# KiCad board MT41.kicad_pcb
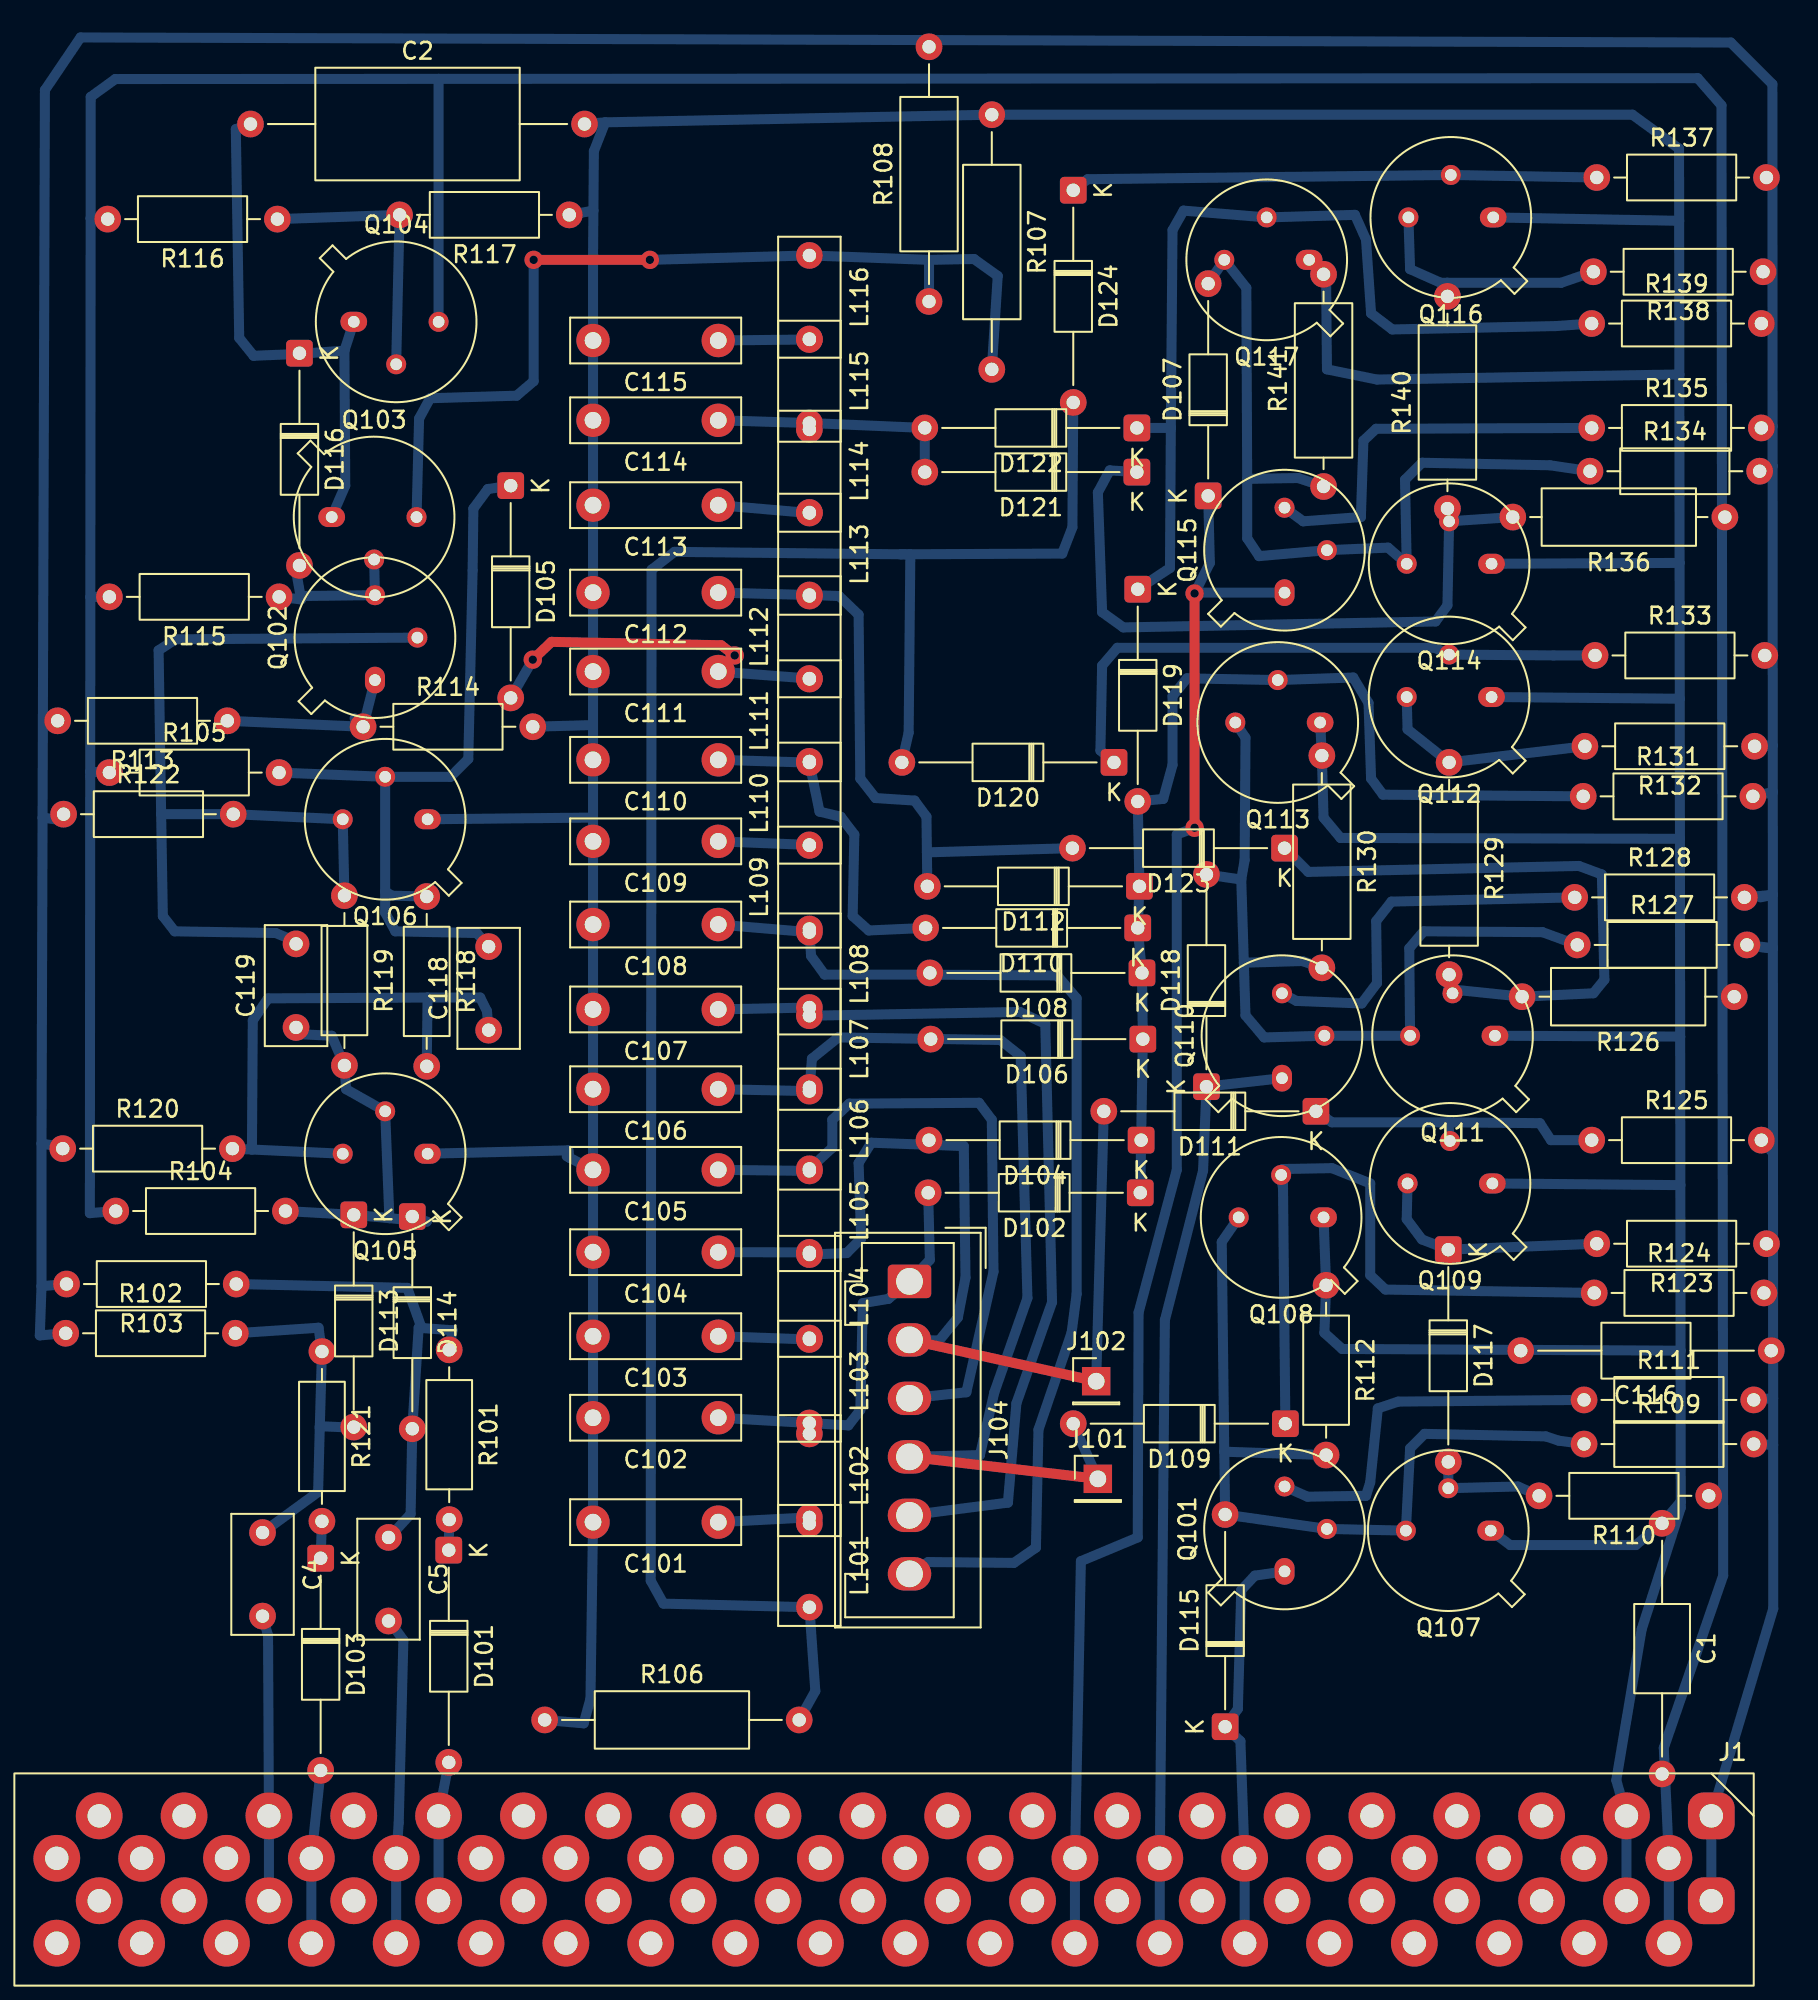
[diagram p0: board, top side]
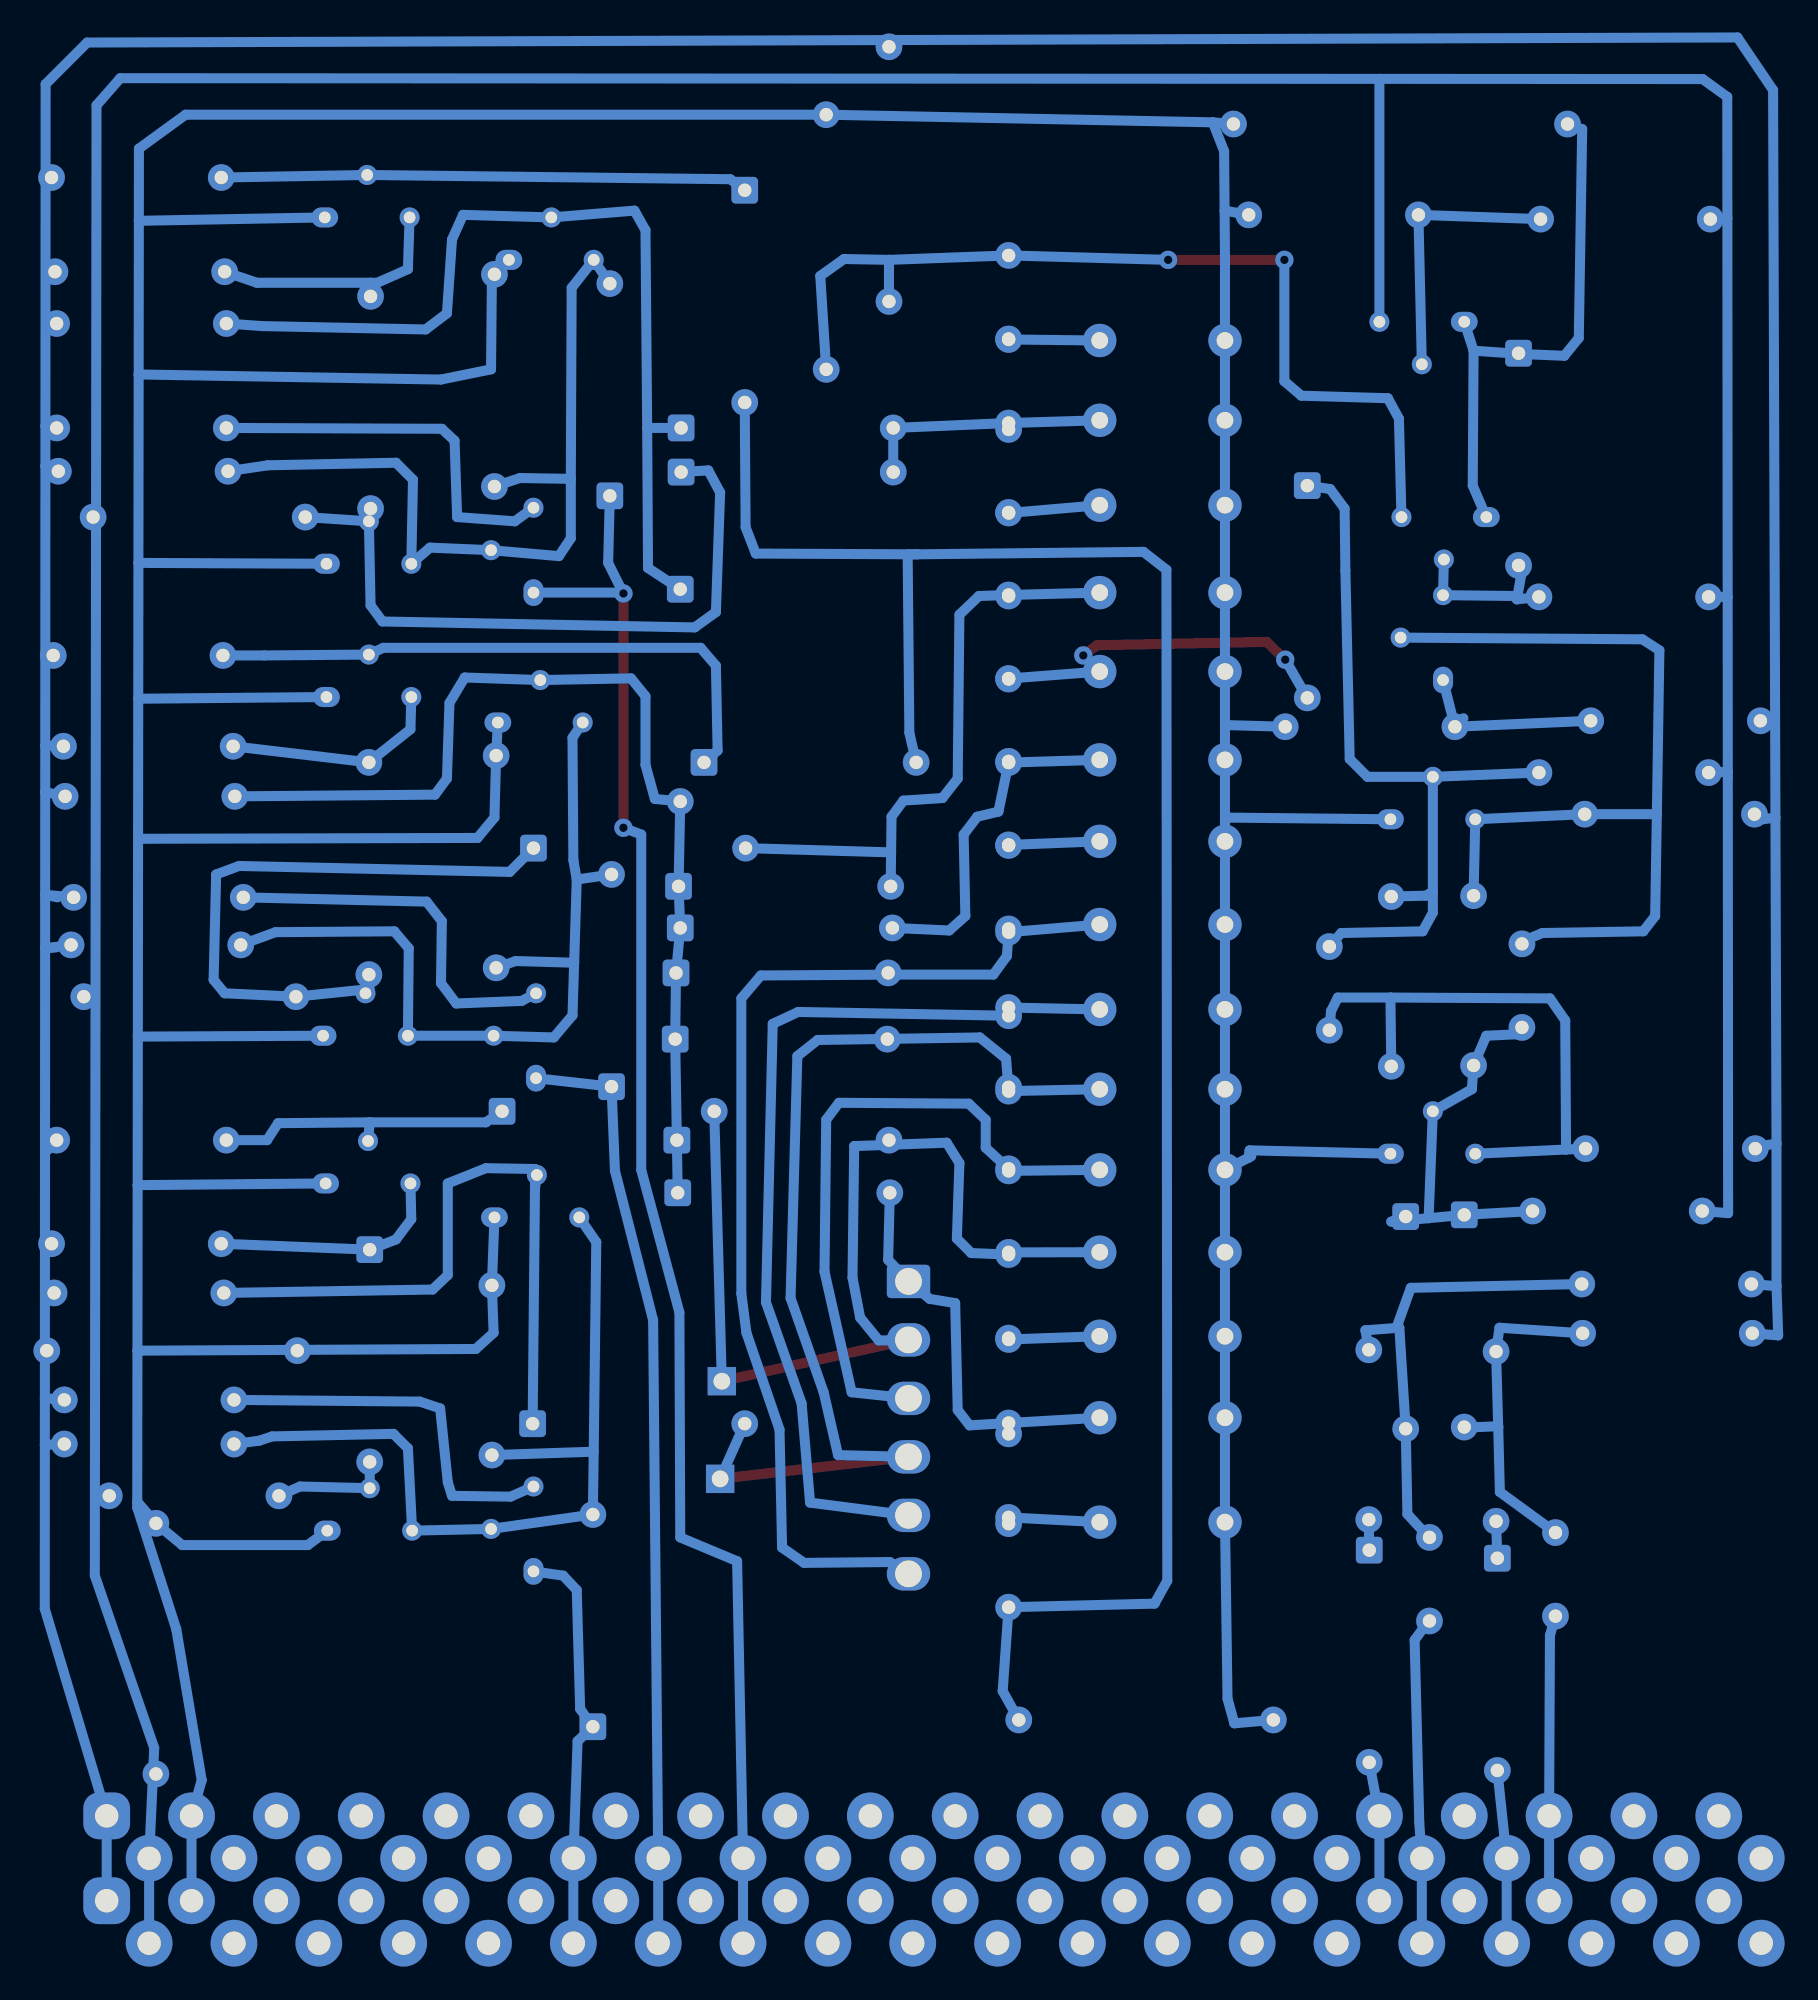
[diagram p1: board, bottom side, seen from below]

No outline. copper layers: Top, Bottom. Coordinates in mm from the lowest, leftmost part position.

## Placement (name value [footprint] x y rotation side)
C1  0.01u  [C_Axial_L5.1mm_D3.1mm_P15.00mm_Horizontal]  95.76 17.51 270 top
C2  C  [C_Axial_L12.0mm_D6.5mm_P20.00mm_Horizontal]  11.24 101.24 0 top
C4  ?  [C_Rect_L7.0mm_W3.5mm_P5.00mm]  11.96 16.95 270 top
C5  ?  [C_Rect_L7.0mm_W3.5mm_P5.00mm]  19.51 16.66 270 top
C101  ?  [C_Rect_L10.0mm_W2.5mm_P7.50mm_MKS4]  39.25 17.58 180 top
C102  ?  [C_Rect_L10.0mm_W2.5mm_P7.50mm_MKS4]  39.25 23.83 180 top
C103  ?  [C_Rect_L10.0mm_W2.5mm_P7.50mm_MKS4]  39.25 28.7 180 top
C104  ?  [C_Rect_L10.0mm_W2.5mm_P7.50mm_MKS4]  39.25 33.73 180 top
C105  ?  [C_Rect_L10.0mm_W2.5mm_P7.50mm_MKS4]  39.25 38.66 180 top
C106  ?  [C_Rect_L10.0mm_W2.5mm_P7.50mm_MKS4]  39.25 43.48 180 top
C107  ?  [C_Rect_L10.0mm_W2.5mm_P7.50mm_MKS4]  39.25 48.26 180 top
C108  ?  [C_Rect_L10.0mm_W2.5mm_P7.50mm_MKS4]  39.25 53.34 180 top
C109  ?  [C_Rect_L10.0mm_W2.5mm_P7.50mm_MKS4]  39.25 58.32 180 top
C110  ?  [C_Rect_L10.0mm_W2.5mm_P7.50mm_MKS4]  39.25 63.2 180 top
C111  ?  [C_Rect_L10.0mm_W2.5mm_P7.50mm_MKS4]  39.25 68.48 180 top
C112  ?  [C_Rect_L10.0mm_W2.5mm_P7.50mm_MKS4]  39.25 73.2 180 top
C113  ?  [C_Rect_L10.0mm_W2.5mm_P7.50mm_MKS4]  39.25 78.44 180 top
C114  ?  [C_Rect_L10.0mm_W2.5mm_P7.50mm_MKS4]  39.25 83.52 180 top
C115  ?  [C_Rect_L10.0mm_W2.5mm_P7.50mm_MKS4]  39.25 88.29 180 top
C116  2u  [C_Axial_L5.1mm_D3.1mm_P15.00mm_Horizontal]  102.29 27.84 180 top
C118  ?  [C_Rect_L7.0mm_W3.5mm_P5.00mm]  25.5 47.02 90 top
C119  ?  [C_Rect_L7.0mm_W3.5mm_P5.00mm]  13.97 47.18 90 top
D101  ?  [D_DO-35_SOD27_P12.70mm_Horizontal]  23.11 15.9 270 top
D102  ?  [D_DO-35_SOD27_P12.70mm_Horizontal]  64.52 37.29 180 top
D103  ?  [D_DO-35_SOD27_P12.70mm_Horizontal]  15.44 15.42 270 top
D104  ?  [D_DO-35_SOD27_P12.70mm_Horizontal]  64.57 40.44 180 top
D105  ?  [D_DO-35_SOD27_P12.70mm_Horizontal]  26.82 79.6 270 top
D106  ?  [D_DO-35_SOD27_P12.70mm_Horizontal]  64.67 46.48 180 top
D107  ?  [D_DO-35_SOD27_P12.70mm_Horizontal]  68.58 78.99 90 top
D108  ?  [D_DO-35_SOD27_P12.70mm_Horizontal]  64.62 50.44 180 top
D109  ?  [D_DO-35_SOD27_P12.70mm_Horizontal]  73.2 23.47 180 top
D110  ?  [D_DO-35_SOD27_P12.70mm_Horizontal]  64.36 53.14 180 top
D111  ?  [D_DO-35_SOD27_P12.70mm_Horizontal]  75.03 42.16 180 top
D112  ?  [D_DO-35_SOD27_P12.70mm_Horizontal]  64.47 55.63 180 top
D113  ?  [D_DO-35_SOD27_P12.70mm_Horizontal]  17.42 35.97 270 top
D114  ?  [D_DO-35_SOD27_P12.70mm_Horizontal]  20.93 35.86 270 top
D115  ?  [D_DO-35_SOD27_P12.70mm_Horizontal]  69.6 5.33 90 top
D116  ?  [D_DO-35_SOD27_P12.70mm_Horizontal]  14.17 87.53 270 top
D117  S1005  [D_DO-35_SOD27_P12.70mm_Horizontal]  82.96 33.88 270 top
D118  ?  [D_DO-35_SOD27_P12.70mm_Horizontal]  68.48 43.64 90 top
D119  ?  [D_DO-35_SOD27_P12.70mm_Horizontal]  64.36 73.41 270 top
D120  ?  [D_DO-35_SOD27_P12.70mm_Horizontal]  62.94 63.04 180 top
D121  ?  [D_DO-35_SOD27_P12.70mm_Horizontal]  64.31 80.42 180 top
D122  ?  [D_DO-35_SOD27_P12.70mm_Horizontal]  64.31 83.06 180 top
D123  ?  [D_DO-35_SOD27_P12.70mm_Horizontal]  73.15 57.91 180 top
D124  ?  [D_DO-35_SOD27_P12.70mm_Horizontal]  60.5 97.28 270 top
J1  Conn_01x40  [ELCO 40]  98.7 0 0 top
J101  Conn_01x01  [PinHeader_1x01_P2.54mm_Vertical]  61.98 20.17 0 top
J102  Conn_01x01  [PinHeader_1x01_P2.54mm_Vertical]  61.87 26.01 0 top
J104  Conn_01x06  [Wago_734-136_1x06_P3.50mm_Vertical]  50.7 31.98 270 top
L101  ?  [C_Rect_L7.0mm_W3.5mm_P5.00mm]  44.7 17.49 270 top
L102  ?  [C_Rect_L7.0mm_W3.5mm_P5.00mm]  44.7 22.86 270 top
L103  ?  [C_Rect_L7.0mm_W3.5mm_P5.00mm]  44.7 28.51 270 top
L104  ?  [C_Rect_L7.0mm_W3.5mm_P5.00mm]  44.7 33.59 270 top
L105  ?  [C_Rect_L7.0mm_W3.5mm_P5.00mm]  44.7 38.72 270 top
L106  ?  [C_Rect_L7.0mm_W3.5mm_P5.00mm]  44.7 43.6 270 top
L107  ?  [C_Rect_L7.0mm_W3.5mm_P5.00mm]  44.7 48.37 270 top
L108  ?  [C_Rect_L7.0mm_W3.5mm_P5.00mm]  44.7 52.88 270 top
L109  ?  [C_Rect_L7.0mm_W3.5mm_P5.00mm]  44.7 53.08 90 top
L110  ?  [C_Rect_L7.0mm_W3.5mm_P5.00mm]  44.7 58.1 90 top
L111  ?  [C_Rect_L7.0mm_W3.5mm_P5.00mm]  44.7 63.03 90 top
L112  ?  [C_Rect_L7.0mm_W3.5mm_P5.00mm]  44.7 68.06 90 top
L113  ?  [C_Rect_L7.0mm_W3.5mm_P5.00mm]  44.7 78 270 top
L114  ?  [C_Rect_L7.0mm_W3.5mm_P5.00mm]  44.7 82.97 270 top
L115  ?  [C_Rect_L7.0mm_W3.5mm_P5.00mm]  44.7 88.35 270 top
L116  ?  [C_Rect_L7.0mm_W3.5mm_P5.00mm]  44.7 93.38 270 top
Q101  ?  [TO-5-3]  73.15 14.63 90 top
Q102  ?  [TO-5-3]  18.69 67.97 90 top
Q103  2N964  [TO-5-3]  16.1 77.72 0 top
Q104  2N1309  [TO-5-3]  17.42 89.41 0 top
Q105  2N964  [TO-5-3]  21.84 39.62 180 top
Q106  2N964  [TO-5-3]  21.84 59.64 180 top
Q107  S1009A  [TO-5-3]  85.5 17.07 180 top
Q108  ?  [TO-5-3]  75.49 35.81 180 top
Q109  2N964  [TO-5-3]  85.6 37.85 180 top
Q110  ?  [TO-5-3]  73 44.15 90 top
Q111  2N964  [TO-5-3]  85.75 46.69 180 top
Q112  ?  [TO-5-3]  85.55 66.95 180 top
Q113  ?  [TO-5-3]  75.29 65.43 180 top
Q114  2N964  [TO-5-3]  85.55 74.93 180 top
Q115  ?  [TO-5-3]  73.15 73.2 90 top
Q116  ?  [TO-5-3]  85.65 95.66 180 top
Q117  ?  [TO-5-3]  74.63 93.12 180 top
R101  1K  [R_Axial_DIN0207_L6.3mm_D2.5mm_P10.16mm_Horizontal]  23.14 27.89 270 top
R102  10K  [R_Axial_DIN0207_L6.3mm_D2.5mm_P10.16mm_Horizontal]  0.18 28.88 0 top
R103  10K  [R_Axial_DIN0207_L6.3mm_D2.5mm_P10.16mm_Horizontal]  10.39 31.83 180 top
R104  18K  [R_Axial_DIN0207_L6.3mm_D2.5mm_P10.16mm_Horizontal]  3.18 36.19 0 top
R105  18K  [R_Axial_DIN0207_L6.3mm_D2.5mm_P10.16mm_Horizontal]  2.79 62.43 0 top
R106  130R  [R_Axial_DIN0309_L9.0mm_D3.2mm_P15.24mm_Horizontal]  28.85 5.74 0 top
R107  180R  [R_Axial_DIN0309_L9.0mm_D3.2mm_P15.24mm_Horizontal]  55.63 101.8 270 top
R108  510R  [R_Axial_DIN0309_L9.0mm_D3.2mm_P15.24mm_Horizontal]  51.87 90.63 90 top
R109  1K  [R_Axial_DIN0207_L6.3mm_D2.5mm_P10.16mm_Horizontal]  91.08 22.25 0 top
R110  10K  [R_Axial_DIN0207_L6.3mm_D2.5mm_P10.16mm_Horizontal]  98.55 19.15 180 top
R111  100R  [R_Axial_DIN0207_L6.3mm_D2.5mm_P10.16mm_Horizontal]  91.08 24.89 0 top
R112  5.1K  [R_Axial_DIN0207_L6.3mm_D2.5mm_P10.16mm_Horizontal]  75.64 31.75 270 top
R113  3K  [R_Axial_DIN0207_L6.3mm_D2.5mm_P10.16mm_Horizontal]  9.86 65.53 180 top
R114  3K  [R_Axial_DIN0207_L6.3mm_D2.5mm_P10.16mm_Horizontal]  17.98 65.18 0 top
R115  5.1K  [R_Axial_DIN0207_L6.3mm_D2.5mm_P10.16mm_Horizontal]  12.95 72.95 180 top
R116  2K  [R_Axial_DIN0207_L6.3mm_D2.5mm_P10.16mm_Horizontal]  12.85 95.55 180 top
R117  1K  [R_Axial_DIN0207_L6.3mm_D2.5mm_P10.16mm_Horizontal]  30.33 95.81 180 top
R118  5.1K  [R_Axial_DIN0207_L6.3mm_D2.5mm_P10.16mm_Horizontal]  21.79 55.02 270 top
R119  5.1K  [R_Axial_DIN0207_L6.3mm_D2.5mm_P10.16mm_Horizontal]  16.87 55.07 270 top
R120  2K  [R_Axial_DIN0207_L6.3mm_D2.5mm_P10.16mm_Horizontal]  0 39.93 0 top
R121  1K  [R_Axial_DIN0207_L6.3mm_D2.5mm_P10.16mm_Horizontal]  15.52 27.79 270 top
R122  2K  [R_Axial_DIN0207_L6.3mm_D2.5mm_P10.16mm_Horizontal]  0.05 59.94 0 top
R123  5.1K  [R_Axial_DIN0207_L6.3mm_D2.5mm_P10.16mm_Horizontal]  102.01 34.24 180 top
R124  18K  [R_Axial_DIN0207_L6.3mm_D2.5mm_P10.16mm_Horizontal]  91.69 31.29 0 top
R125  18K  [R_Axial_DIN0207_L6.3mm_D2.5mm_P10.16mm_Horizontal]  91.54 40.44 0 top
R126  39K  [R_Axial_DIN0309_L9.0mm_D3.2mm_P12.70mm_Horizontal]  100.08 49.02 180 top
R127  1K  [R_Axial_DIN0207_L6.3mm_D2.5mm_P10.16mm_Horizontal]  90.68 52.12 0 top
R128  100R  [R_Axial_DIN0207_L6.3mm_D2.5mm_P10.16mm_Horizontal]  90.53 54.97 0 top
R129  10k  [R_Axial_DIN0309_L9.0mm_D3.2mm_P12.70mm_Horizontal]  83.01 63.04 270 top
R130  5.1K  [R_Axial_DIN0309_L9.0mm_D3.2mm_P12.70mm_Horizontal]  75.39 63.45 270 top
R131  18K  [R_Axial_DIN0207_L6.3mm_D2.5mm_P10.16mm_Horizontal]  91.03 61.01 0 top
R132  3K  [R_Axial_DIN0207_L6.3mm_D2.5mm_P10.16mm_Horizontal]  101.3 64.01 180 top
R133  18K  [R_Axial_DIN0207_L6.3mm_D2.5mm_P10.16mm_Horizontal]  91.74 69.44 0 top
R134  1K  [R_Axial_DIN0207_L6.3mm_D2.5mm_P10.16mm_Horizontal]  91.44 80.47 0 top
R135  100R  [R_Axial_DIN0207_L6.3mm_D2.5mm_P10.16mm_Horizontal]  91.54 83.06 0 top
R136  39K  [R_Axial_DIN0309_L9.0mm_D3.2mm_P12.70mm_Horizontal]  99.52 77.72 180 top
R137  18K  [R_Axial_DIN0207_L6.3mm_D2.5mm_P10.16mm_Horizontal]  91.85 98.04 0 top
R138  3K  [R_Axial_DIN0207_L6.3mm_D2.5mm_P10.16mm_Horizontal]  101.8 92.41 180 top
R139  18K  [R_Axial_DIN0207_L6.3mm_D2.5mm_P10.16mm_Horizontal]  91.54 89.31 0 top
R140  10k  [R_Axial_DIN0309_L9.0mm_D3.2mm_P12.70mm_Horizontal]  82.91 78.23 90 top
R141  5.1K  [R_Axial_DIN0309_L9.0mm_D3.2mm_P12.70mm_Horizontal]  75.49 79.55 90 top

## Library data of the parts
C1 C2 C4 C5 C116 C118 C119 = -: Description: Unpolarized capacitor; ki_fp_filters: C_*
C101-C115 = -: Description: Unpolarized capacitor, small symbol; ki_fp_filters: C_*
D101-D124 = -: Datasheet: https://assets.nexperia.com/documents/data-sheet/1N4148_1N4448.pdf; Description: 100V 0.15A High-speed standard diode, DO-35; Sim.Device: D; Sim.Pins: 1=K 2=A; ki_fp_filters: D*DO?35*
J1 = -: Description: Generic connector, single row, 01x40, script generated (kicad-library-utils/schlib/autogen/connector/); ki_fp_filters: Connector*:*_1x??_*
J101 J102 = -: Description: Generic connector, single row, 01x01, script generated (kicad-library-utils/schlib/autogen/connector/); ki_fp_filters: Connector*:*_1x??_*
J104 = -: Description: Generic connector, single row, 01x06, script generated (kicad-library-utils/schlib/autogen/connector/); ki_fp_filters: Connector*:*_1x??_*
L101-L116 = -: Description: Inductor with iron core; ki_fp_filters: Choke_* *Coil* Inductor_* L_*
Q101-Q117 = -: Description: PNP transistor, emitter/base/collector
R101-R141 = -: Description: Resistor; ki_fp_filters: R_*

## Footprints (pads in the part's own frame, mm; a bottom-side part is the same pattern mirrored in y, then rotated)
C_Axial_L5.1mm_D3.1mm_P15.00mm_Horizontal
  round 1.6 hole 0.8: 1(0,0) 2(15,0)
C_Axial_L12.0mm_D6.5mm_P20.00mm_Horizontal
  round 1.6 hole 0.8: 1(0,0) 2(20,0)
C_Rect_L7.0mm_W3.5mm_P5.00mm
  round 1.6 hole 0.8: 1(0,0) 2(5,0)
C_Rect_L10.0mm_W2.5mm_P7.50mm_MKS4
  round 2 hole 1: 1(0,0) 2(7.5,0)
D_DO-35_SOD27_P12.70mm_Horizontal
  rrect 1.6x1.6 hole 0.8: 1(0,0)
  round 1.6 hole 0.8: 2(12.7,0)
ELCO 40
  rrect 2.8x2.8 hole 1.4: 1(0,0) 1(0,-5.08)
  round 2.8 hole 1.4: 2(-2.54,-2.54) 2(-2.54,-7.62) 3(-5.08,0) 3(-5.08,-5.08) 4(-7.62,-2.54) 4(-7.62,-7.62) 5(-10.16,0) 5(-10.16,-5.08) 6(-12.7,-2.54) 6(-12.7,-7.62) 7(-15.24,0) 7(-15.24,-5.08) 8(-17.78,-2.54) 8(-17.78,-7.62) 9(-20.32,0) 9(-20.32,-5.08) 10(-22.86,-2.54) 10(-22.86,-7.62) 11(-25.4,0) 11(-25.4,-5.08) 12(-27.94,-2.54) 12(-27.94,-7.62) 13(-30.48,0) 13(-30.48,-5.08) 14(-33.02,-2.54) 14(-33.02,-7.62) 15(-35.56,0) 15(-35.56,-5.08) 16(-38.1,-2.54) 16(-38.1,-7.62) 17(-40.64,0) 17(-40.64,-5.08) 18(-43.18,-2.54) 18(-43.18,-7.62) 19(-45.72,0) 19(-45.72,-5.08) 20(-48.26,-2.54) 20(-48.26,-7.62) 21(-50.8,0) 21(-50.8,-5.08) 22(-53.34,-2.54) 22(-53.34,-7.62) 23(-55.88,0) 23(-55.88,-5.08) 24(-58.42,-2.54) 24(-58.42,-7.62) 25(-60.96,0) 25(-60.96,-5.08) 26(-63.5,-2.54) 26(-63.5,-7.62) 27(-66.04,0) 27(-66.04,-5.08) 28(-68.58,-2.54) 28(-68.58,-7.62) 29(-71.12,0) 29(-71.12,-5.08) 30(-73.66,-2.54) 30(-73.66,-7.62) 31(-76.2,0) 31(-76.2,-5.08) 32(-78.74,-2.54) 32(-78.74,-7.62) 33(-81.28,0) 33(-81.28,-5.08) 34(-83.82,-2.54) 34(-83.82,-7.62) 35(-86.36,0) 35(-86.36,-5.08) 36(-88.9,-2.54) 36(-88.9,-7.62) 37(-91.44,0) 37(-91.44,-5.08) 38(-93.98,-2.54) 38(-93.98,-7.62) 39(-96.52,0) 39(-96.52,-5.08) 40(-99.06,-2.54) 40(-99.06,-7.62)
PinHeader_1x01_P2.54mm_Vertical
  rect 1.7x1.7 hole 1: 1(0,0)
R_Axial_DIN0207_L6.3mm_D2.5mm_P10.16mm_Horizontal
  round 1.6 hole 0.8: 1(0,0) 2(10.16,0)
R_Axial_DIN0309_L9.0mm_D3.2mm_P12.70mm_Horizontal
  round 1.6 hole 0.8: 1(0,0) 2(12.7,0)
R_Axial_DIN0309_L9.0mm_D3.2mm_P15.24mm_Horizontal
  round 1.6 hole 0.8: 1(0,0) 2(15.24,0)
TO-5-3
  oval 1.6x1.2 hole 0.7: 1(0,0)
  round 1.2 hole 0.7: 2(2.54,-2.54) 3(5.08,0)
Wago_734-136_1x06_P3.50mm_Vertical
  rrect 2x2.6 hole 1.6: 1(0,0)
  oval 2x2.6 hole 1.6: 2(3.5,0) 3(7,0) 4(10.5,0) 5(14,0) 6(17.5,0)

## Nets
+4V: C2.1 D116.1 Q103.1 Q104.1
+6V: C1.2 J1.2 Q104.3 R104.1 R105.1 R110.1 R115.2 R116.2 R126.1 R136.1
-12V: C116.1 J1.1 R102.1 R103.2 R108.2 R109.2 R111.2 R113.2 R120.1 R122.1 R123.1 R124.2 R125.2 R127.2 R128.2 R131.2 R132.1 R133.2 R134.2 R135.2 R137.2 R138.1 R139.2
/-6V: Q102.1 R113.1 R114.1
GND: C1.1 C2.2 C101.2 C102.2 C103.2 C104.2 C105.2 C106.2 C107.2 C108.2 C109.2 C110.2 C111.2 C112.2 C113.2 C114.2 C115.2 C116.2 J1.3 Q105.1 Q106.1 Q107.1 Q108.1 Q109.1 Q111.1 Q112.1 Q113.1 Q114.1 Q116.1 Q117.1 R106.1 R107.1 R112.1 R114.2 R117.1 R130.1 R141.2
C100: D120.2 D124.2 L101.2 R106.2
C102: C102.1 D102.2 J104.1 L102.1 L103.2
C104: C104.1 D104.2 D111.2 J102.1 J104.2 L104.1 L105.2
C105: C105.1 J104.3 L105.1 L106.2
C106: C106.1 D106.2 D109.2 J101.1 J104.4 L106.1 L107.2
C107: C107.1 J104.5 L107.1 L108.2
C108: C108.1 D108.2 J104.6 L108.1 L109.1
C110: C110.1 D110.2 L110.2 L111.1
C111: C111.1 D105.2 L111.2 L112.1
C112: C112.1 D112.2 D123.2 L112.2 L113.2
C114: C114.1 D121.2 D122.2 L114.1 L115.2
DLY_ORED: D102.1 D104.1 D106.1 D108.1 D110.1 D112.1 D119.2 Q113.2 R131.1
P12: D115.1 J1.12 Q101.1
P14: D118.1 J1.14 Q110.1
P16: D107.1 J1.16 Q115.1
P31: D101.2 J1.31
P32: C5.2 J1.32
P34: D103.2 J1.34
P35: C4.2 J1.35
Net-(C101-Pad1): C101.1 L101.1 L102.2
Net-(C103-Pad1): C103.1 L103.1 L104.2
Net-(C109-Pad1): C109.1 L109.2 L110.1
Net-(C113-Pad1): C113.1 L113.1 L114.2
Net-(C115-Pad1): C115.1 L115.1 L116.2
Net-(D101-K): D101.1 R101.2
Net-(D103-K): D103.1 R121.2
Net-(D105-K): C118.2 D105.1 Q106.2 R105.2 R118.1
Net-(D107-A): D107.2 Q114.3 Q115.2 Q117.3 R134.1 R141.1
Net-(D109-K): D109.1 Q108.2 R124.1
Net-(D111-K): D111.1 Q109.2 R125.1
Net-(D113-A): C4.1 D113.2 R102.2 R121.1
Net-(D113-K): C119.1 D113.1 D114.1 Q105.2 R104.2 R119.2
Net-(D114-A): C5.1 D114.2 R101.1 R103.1
Net-(D115-A): D115.2 Q101.2 Q107.3 Q108.3 R109.1 R112.2
Net-(D116-A): D116.2 Q102.3 Q103.2 R115.1
Net-(D117-A): D117.2 Q107.2 R110.2
Net-(D117-K): D117.1 Q109.3 R123.2
Net-(D118-A): D118.2 Q110.2 Q111.3 Q113.3 R127.1 R130.2
Net-(D119-K): D119.1 D122.1 Q117.2 R139.1
Net-(D120-K): D120.1 Q112.2 R133.1
Net-(D121-K): D121.1 Q114.2 R136.2 R140.1
Net-(D123-K): D123.1 Q111.2 R126.2 R129.2
Net-(D124-K): D124.1 Q116.2 R137.1
Net-(Q101-C): Q101.3 R111.1
Net-(Q102-B): C119.2 Q102.2 Q106.3 R119.1 R122.2
Net-(Q103-C): L116.1 Q103.3 R107.2 R108.1
Net-(Q104-B): Q104.2 R116.1 R117.2
Net-(Q105-C): C118.1 Q105.3 R118.2 R120.2
Net-(Q110-C): Q110.3 R128.1
Net-(Q112-C): Q112.3 R129.1 R132.2
Net-(Q115-C): Q115.3 R135.1
Net-(Q116-C): Q116.3 R138.2 R140.2

Pads without a net: J1 4 5 6 7 8 9 10 11 13 15 17 18 19 20 21 22 23 24 25 26 27 28 29 30 33 36 37 38 39 40

## Via types
v1: diameter 1.1, hole 0.5, Top to Bottom, 6 vias

## Routing (per net, layer and track width the routed paths; a pad name or vN(x,y) marks a point on that pad's centre or on a via; arc(x,y) is an arc through that point)
+4V: length 32.2
  Bottom w0.6: Q103.1 16.92,79.6 16.87,87.68 ; C2.1 10.36,100.94 10.57,88.44 11.43,87.38 13.92,87.48 16.87,87.68 ; Q104.1 16.87,87.68
+6V: length 295.5
  Bottom w0.6: R105.1 1.65,62.48 ; 1.65,62.48 1.63,36.07 R104.1 ; 1.65,62.48 1.65,72.95 ; 1.65,72.95 1.67,95.61 ; 1.65,72.95 R115.2 ; 22.5,103.95 97.89,103.99 99.31,102.36 99.42,14.38 95.86,4.06 J1.2 J1.2 ; 22.5,103.95 Q104.3 ; 22.5,103.95 3.15,103.94 1.68,102.87 1.67,95.61 ; 1.67,95.61 R116.2
-12V: length 307.6
  Bottom w0.6: 102.37,83.16 102.37,80.77 ; 102.37,83.16 102.36,103.63 99.87,106.12 1.07,106.43 -1.07,103.28 -1.21,59.74 ; 102.37,83.16 R135.2 ; 102.37,80.77 R134.2 ; 102.37,80.77 102.38,64.06 ; R128.2 102.39,55.12 ; 102.39,55.12 101.65,54.97 ; 102.39,55.12 102.39,61.26 ; 102.39,55.12 102.39,51.92 ; -1.27,31.7 -1.27,40.23 ; -1.27,31.7 R103.2 ; -1.27,31.7 -1.37,28.75 R102.1 ; -1.27,40.23 -0.03,40.03 ; -1.27,40.23 -1.21,59.74 ; 102.38,64.06 102.39,61.26 ; 102.38,64.06 R132.1 ; 102.39,61.26 R131.2 ; J1.1 J1.1 102.41,12.4 102.41,22.2 ; 102.41,24.99 102.41,22.2 ; 102.41,24.99 102.4,39.67 ; 102.41,24.99 R111.2 ; 102.41,22.2 R109.2 ; -1.21,59.74 0.25,59.54 ; 102.4,39.67 102.39,51.92 ; 102.4,39.67 R125.2 ; 101.75,51.97 102.39,51.92 ; 102.39,51.92 R127.2
/-6V: length 11.7
  Bottom w0.6: Q102.1 R114.1 ; R114.1 17.48,65.68 ; R114.1 R113.1
GND: length 449.9
  Bottom w0.6: 96.88,18.8 C1.1 94.18,16.21 86.66,16.21 Q107.1 ; 96.88,18.8 96.88,18.44 94.54,11.18 93.01,2.13 J1.3 J1.3 ; 96.88,18.8 96.86,27.84 ; Q114.1 96.8,74.98 ; 96.8,74.98 96.82,66.85 ; 96.8,74.98 96.79,86.26 ; 32.48,101.35 31.8,99.62 31.77,96.06 ; 32.48,101.35 C2.2 ; 32.48,101.35 R107.1 93.98,101.8 96.77,99.77 96.78,95.45 ; 96.85,37.74 96.86,27.84 ; 96.85,37.74 96.84,46.63 ; 96.85,37.74 Q109.1 ; 96.86,27.84 76.61,27.94 75.54,28.91 R112.1 Q108.1 ; Q112.1 96.82,66.85 ; 96.82,66.85 96.83,58.47 ; Q105.1 30.28,39.83 30.34,39.39 ; 96.83,58.47 96.84,46.63 ; 96.83,58.47 76.5,58.52 75.49,59.74 R130.1 Q113.1 ; 96.84,46.63 Q111.1 ; 30.18,39.47 30.34,39.39 ; 30.34,39.39 C105.2 ; 31.77,96.06 31.75,93.17 31.75,65.28 ; 31.77,96.06 R117.1 ; 96.79,86.26 78.69,85.95 75.69,86.56 75.64,92.05 Q117.1 R141.2 ; 96.79,86.26 96.78,95.45 ; 31.75,65.28 R114.2 ; 31.75,65.28 31.75,59.74 ; 96.78,95.45 Q116.1 ; 31.75,59.74 C102.2 C101.2 31.6,7.01 31.19,5.54 R106.1 ; 31.75,59.74 Q106.1
C100: length 125
  Bottom w0.6: R106.2 45.06,7.47 L101.2 35.97,12.7 35.2,14.07 35.26,74.57 36.63,75.64 50.19,75.49 ; 50.19,75.49 50.75,75.49 50.65,64.82 D120.2 ; 50.19,75.49 59.84,75.54 60.45,77.11 D124.2
C102: length 25
  Bottom w0.6: L103.2 47.04,23.37 47.75,24.28 47.9,30.68 49.43,30.94 J104.1 51.92,33.27 D102.2 ; L103.2 C102.1 ; L103.2 L102.1
C104: length 61.9
  Top w0.6: J102.1 J104.2
  Bottom w0.6: D111.2 J102.1 ; J104.2 52.48,28.45 53.59,29.82 54.05,32.21 53.95,40.08 48.41,40.28 47.65,39.07 47.8,34.54 46.94,33.68 L104.1 ; C104.1 L105.2
C105: length 39.3
  Bottom w0.6: L105.1 46.08,39.98 46.08,41.66 47.09,42.62 54.86,42.67 55.63,41.66 55.73,32.56 54.1,25.35 J104.3 ; C105.1 L106.2
C106: length 64.2
  Top w0.6: J101.1 J104.4
  Bottom w0.6: D109.2 J101.1 ; C106.1 L107.2 44.86,45.31 46.43,46.58 56.13,46.43 57.35,45.47 57.76,30.99 55.78,25.35 54.91,21.59 J104.4
C107: length 54.7
  Bottom w0.6: L107.1 C107.1 ; L108.2 57.3,48.11 58.83,47.4 59.23,30.73 57.1,24.69 56.59,18.75 J104.5
C108: length 65.3
  Bottom w0.6: C108.1 L108.1 44.81,51.46 45.62,50.34 51.51,50.34 59.54,50.29 60.71,48.92 60.71,31.24 60.4,28.91 58.42,23.11 58.27,16.05 56.95,15.14 51.82,15.19 J104.6
C110: length 20.7
  Bottom w0.6: D110.2 48.26,52.98 47.29,53.85 47.4,58.72 46.58,59.79 45.31,60.1 L111.1 C110.1
C111: length 22.2
  Top w0.6: v1(40.23,69.44) 39.42,70.05 29.26,70.26 v1(28.14,69.19)
  Bottom w0.6: L112.1 C111.1 v1(40.23,69.44) ; D105.2 v1(28.14,69.19)
C112: length 36.6
  Bottom w0.6: D123.2 51.74,57.66 ; 51.74,57.66 D112.2 ; 51.74,57.66 51.71,59.79 51,60.76 48.67,60.91 47.75,62.08 47.65,71.88 46.48,73 L112.2 C112.1
C114: length 15.4
  Bottom w0.6: D121.2 D122.2 L115.2 ; C114.1 L115.2 ; L115.2 L114.1
DLY_ORED: length 62
  Bottom w0.6: R131.1 79.04,61.11 78.33,62.08 78.18,66.6 77.27,68.12 Q113.2 67.31,68.07 66.45,67.01 66.45,62.89 65.89,60.86 D119.2 D112.1 D110.1 D108.1 D106.1 D104.1 D102.1
P12: length 24.8
  Bottom w0.6: Q101.1 71.37,14.38 70.56,13.51 70.36,6.4 D115.1 70.51,4.47 J1.12 J1.12
P14: length 56.1
  Bottom w0.6: Q110.1 D118.1 68.28,38.61 65.99,29.67 J1.14 J1.14
P16: length 95.5
  Top w0.6: v1(67.77,73.15) v1(67.77,59.13)
  Bottom w0.6: Q115.1 67.82,73.2 v1(67.77,73.15) 68.68,74.98 D107.1 ; J1.16 J1.16 60.96,15.24 64.36,16.66 64.41,30.12 66.7,38.66 66.7,58.72 v1(67.77,59.13)
P31: length 8.3
  Bottom w0.6: J1.31 J1.31 D101.2
P32: length 19.6
  Bottom w0.6: 19.56,11.67 20.4,10.52 20.12,-0.41 J1.32 J1.32
P34: length 10.4
  Bottom w0.6: J1.34 J1.34 D103.2
P35: length 17.1
  Bottom w0.6: C4.2 12.29,10.79 J1.35 J1.35
Net-(C101-Pad1): length 5.8
  Bottom w0.6: C101.1 L102.2 L101.1
Net-(C103-Pad1): length 5.5
  Bottom w0.6: C103.1 L103.1
Net-(C109-Pad1): length 5.5
  Bottom w0.6: L110.1 C109.1
Net-(C113-Pad1): length 5.5
  Bottom w0.6: C113.1 L114.2
Net-(C115-Pad1): length 5.5
  Bottom w0.6: C115.1 L115.1
Net-(D101-K): length 1.8
  Bottom w0.6: D101.1 R101.2
Net-(D103-K): length 2.2
  Bottom w0.6: R121.2 D103.1
Net-(D105-K): length 47.5
  Bottom w0.6: R105.2 Q106.2 ; Q106.2 19.3,55.32 ; Q106.2 23.22,62.18 24.28,63.25 24.54,74.52 24.59,78.23 25.45,79.4 D105.1 ; C118.2 24.79,52.83 19.91,52.93 19.3,54.05 19.3,55.32 ; 19.3,55.32 19.71,55.07 R118.1
Net-(D107-A): length 50.5
  Bottom w0.6: D107.2 Q117.3 70.87,91.44 70.92,80.01 ; 70.92,80.01 73.96,80.06 R141.1 ; 70.92,80.01 70.92,76.45 71.63,75.39 Q115.2 79.35,75.9 Q114.3 80.37,79.96 81.38,80.98 89.05,80.82 R134.1
Net-(D109-K): length 40.7
  Bottom w0.6: 73.06,37.54 73.05,38.71 76,38.76 78.28,37.85 78.28,32.36 79.2,31.5 R124.1 ; 73.06,37.54 D109.1 ; 73.06,37.54 Q108.2
Net-(D111-K): length 18.4
  Bottom w0.6: R125.1 89.1,40.44 88.44,41.45 82.96,41.5 ; 82.96,41.5 76,41.5 D111.1 ; 82.96,41.5 Q109.2
Net-(D113-A): length 21.4
  Bottom w0.6: 15.39,23.22 R121.1 15.32,29.21 R102.2 ; 15.39,23.22 15.29,19.38 C4.1 ; 15.39,23.22 15.39,23.32 17.78,23.22
Net-(D113-K): length 24.6
  Bottom w0.6: R104.2 D113.1 19.56,35.77 ; 19.56,35.77 21.79,35.56 D114.1 ; 19.56,35.77 Q105.2 16.97,43.48 R119.2 16.1,46.69 13.97,46.79 13.82,47.39
Net-(D114-A): length 29.1
  Bottom w0.6: 21.49,29.2 20.62,31.6 R103.1 ; 21.49,29.2 23.34,29.06 R101.1 ; 21.49,29.2 21.31,29.21 D114.2 20.83,18.06 19.56,16.67
Net-(D115-A): length 50.8
  Bottom w0.6: 69.55,21.79 D115.2 Q101.2 Q107.3 80.67,22 81.53,22.86 88.8,22.71 89.56,22.45 R109.1 ; 69.55,21.79 69.39,34.34 Q108.3 ; 69.55,21.79 R112.2
Net-(D116-A): length 9.9
  Bottom w0.6: 14.24,73 14.27,72.8 R115.1 ; 14.24,73 13.92,74.78 ; 14.24,73 Q102.3 Q103.2
Net-(D117-A): length 7.1
  Bottom w0.6: D117.2 Q107.2 87.12,19.71 R110.2
Net-(D117-K): length 14.2
  Bottom w0.6: Q109.3 80.47,35.71 81.38,34.49 D117.1 R123.2
Net-(D118-A): length 50.9
  Bottom w0.6: R127.1 88.6,52.88 81.48,52.93 80.62,51.92 Q111.3 Q110.2 71.93,46.58 70.82,47.9 70.72,51.05 ; 70.72,51.05 70.56,56.03 ; 70.72,51.05 74.22,51.16 R130.2 ; D118.2 70.56,56.03 ; 70.56,56.03 70.76,57.2 70.82,64.52 Q113.3
Net-(D119-K): length 55.8
  Bottom w0.6: 66.34,83.06 D122.1 ; 66.34,83.06 66.45,94.89 67.11,96.06 Q117.2 77.37,95.81 78.03,94.34 78.33,89.92 79.6,88.95 89.41,89.15 R139.1 ; 66.34,83.06 66.29,74.68 D119.1
Net-(D120-K): length 36.3
  Bottom w0.6: D120.1 62.13,63.75 62.23,68.83 63.14,69.9 82.14,69.9 Q112.2 89.26,69.44 R133.1
Net-(D121-K): length 42.4
  Bottom w0.6: D121.1 62.69,80.52 61.98,79.2 62.23,72.03 63.5,71.12 82.19,71.48 82.91,72.44 Q114.2 ; Q114.2 R136.2 ; Q114.2 83.01,78.49 ; Q114.2 R140.1
Net-(D123-K): length 36
  Bottom w0.6: Q111.2 83.41,49.02 ; D123.1 74.57,56.49 90.78,56.85 92.15,56.34 92.3,50.04 91.64,49.23 R126.2 82.96,49.48
Net-(D124-K): length 31.6
  Bottom w0.6: R137.1 Q116.2 61.37,97.94 D124.1
Net-(Q101-C): length 22.7
  Bottom w0.6: R111.1 79.96,24.79 78.74,24.38 78.28,19.96 78.03,19.15 74.52,19.1 Q101.3
Net-(Q102-B): length 55.4
  Bottom w0.6: 5.89,59.94 5.99,53.85 6.71,52.93 12.75,52.83 13.82,52.39 ; 5.89,59.94 R122.2 Q106.3 R119.1 ; 5.89,59.94 5.74,69.75 6.76,70.41 Q102.2
Net-(Q103-C): length 57.3
  Top w0.6: v1(28.19,93.12) v1(35.15,93.12)
  Bottom w0.6: R107.2 55.98,92.15 54.56,93.17 51.87,93.12 ; 51.87,93.12 L116.1 v1(35.15,93.12) ; 51.87,93.12 R108.1 ; Q103.3 21.34,83.62 22,84.84 27.18,84.99 28.19,85.85 v1(28.19,93.12)
Net-(Q104-B): length 16.3
  Bottom w0.6: R116.1 R117.2 Q104.2
Net-(Q105-C): length 34.8
  Bottom w0.6: 11.33,39.87 11.38,47.6 12.29,48.92 21.84,48.97 ; 11.33,39.87 R120.2 ; 11.33,39.87 Q105.3 ; R118.2 21.84,48.97 ; 21.84,48.97 24.99,48.97 25.4,48.16 C118.1
Net-(Q110-C): length 22.6
  Bottom w0.6: Q110.3 73.86,48.77 77.77,48.62 78.69,49.83 78.64,53.54 79.55,54.71 R128.1
Net-(Q112-C): length 13.3
  Bottom w0.6: R132.2 R129.1 80.52,65.02 Q112.3
Net-(Q115-C): length 23.4
  Bottom w0.6: R135.1 78.64,83.01 77.88,82.3 77.72,77.72 74.27,77.47 Q115.3
Net-(Q116-C): length 15.2
  Bottom w0.6: Q116.3 80.67,92.56 82.5,91.74 82.91,91.74 ; R140.2 82.91,91.74 ; 82.91,91.74 89.71,91.74 R138.2
